# KiCad board reform2-motherboard25.kicad_pcb (continued)
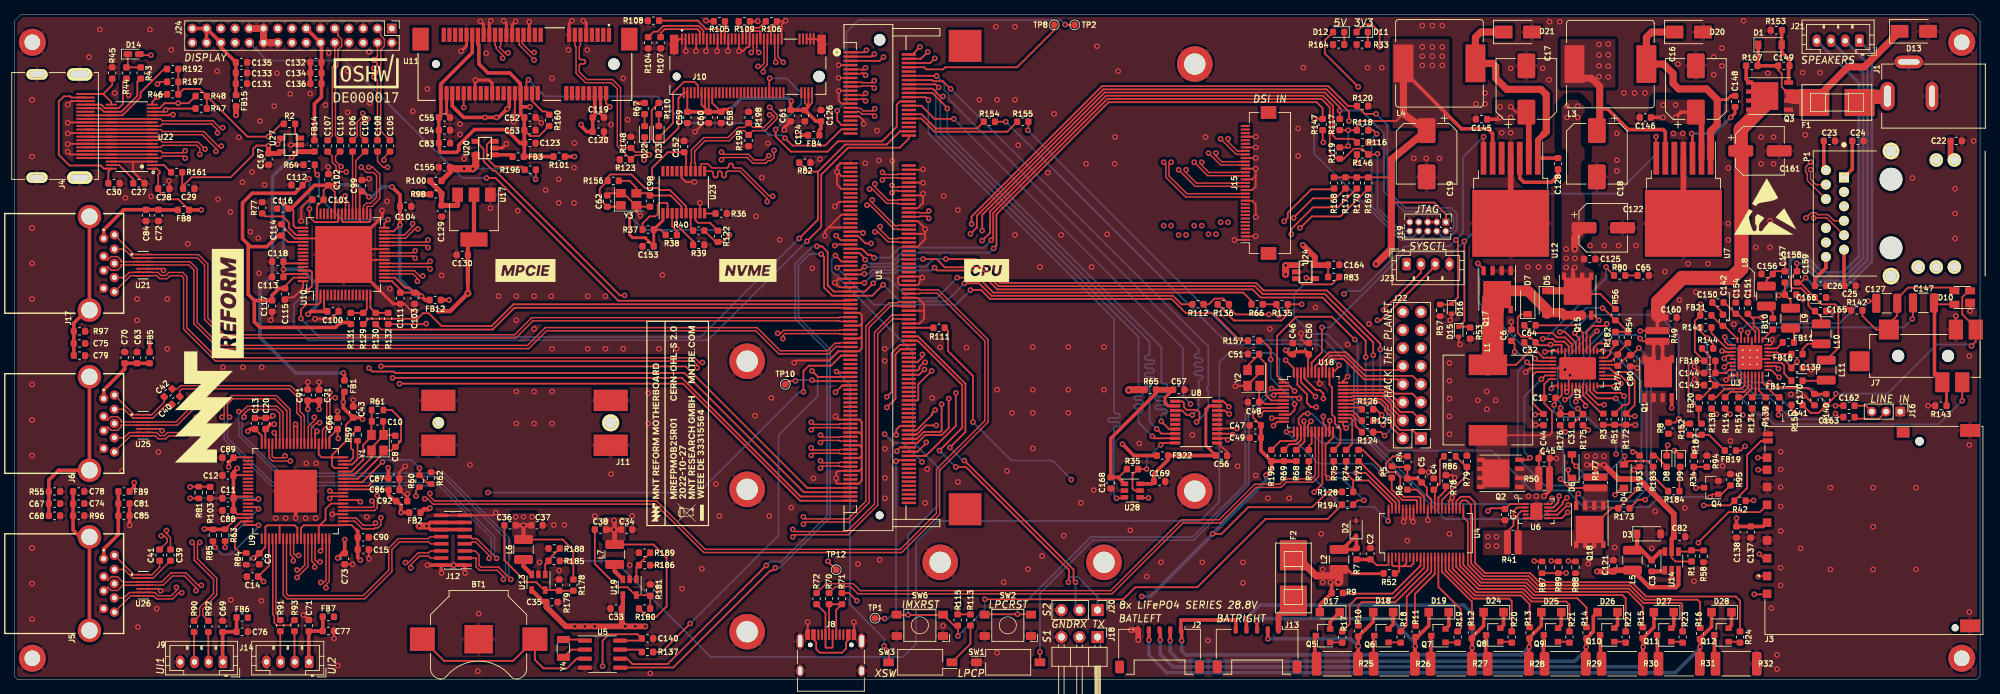
[diagram p0: board, top side]
## Placement (name value [footprint] x y rotation side) (continued)
R139  33  [R_0603_1608Metric]  245.9 38.9 90 top
R140  680  [R_0603_1608Metric]  254.4 39.35 270 top
R141  0  [R_0603_1608Metric]  237.5 49.5 0 top
R142  47k  [R_0603_1608Metric]  258.7 51.9 180 top
R143  47k  [R_0603_1608Metric]  270.5 38.5 180 top
R144  47k  [R_0603_1608Metric]  237.75 46.55 0 top
R146  0  [R_0603_1608Metric]  189.3 73.8 0 top
R147  0  [R_0603_1608Metric]  183.7 78 90 top
R148  49.9  [R_0603_1608Metric]  86.6 75.5 270 top
R150  33  [R_0603_1608Metric]  247.8 38.9 90 top
R151  33  [R_0603_1608Metric]  242.1 38.9 90 top
R152  0  [R_0603_1608Metric]  235.25 35.2 270 top
R153  1M  [R_0603_1608Metric]  247.4 91.25 180 top
R154  0  [R_0603_1608Metric]  136.9 78.4 180 top
R155  0  [R_0603_1608Metric]  141.6 78.4 0 top
R156  1M  [R_0603_1608Metric]  84.1 70.1 0 top
R157  0  [R_0603_1608Metric]  174 47.65 180 top
R160  100k  [R_0603_1608Metric]  75.1 78.6 90 top
R161  10k  [R_0603_1608Metric]  22.8 71.3 180 top
R164  1k  [R_0603_1608Metric]  185.95 89.25 0 top
R167  62  [R_0603_1608Metric]  243.95 86.25 0 top
R168  10k  [R_0603_1608Metric]  185.3 69.8 270 top
R169  10k  [R_0603_1608Metric]  190.1 69.8 90 top
R170  10k  [R_0603_1608Metric]  188.5 69.8 90 top
R171  10k  [R_0603_1608Metric]  186.9 69.8 90 top
R172  10k  [R_0603_1608Metric]  226.3 36.6 270 top
R173  49.9k  [R_0603_1608Metric]  226 24.1 180 top
R174  4.7k  [R_0603_1608Metric]  225.15 44.9 270 top
R175  100  [R_0603_1608Metric]  220.25 36.55 90 top
R176  100  [R_0603_1608Metric]  217.05 36.55 90 top
R177  0.02  [R_0612_1632Metric]  222 27.7 270 top
R178  100k  [R_0603_1608Metric]  78.5 13.3 270 top
R179  100k  [R_0603_1608Metric]  76.5 13.3 90 top
R180  150k  [R_0603_1608Metric]  88.5 10 0 top
R181  100k  [R_0603_1608Metric]  89.3 12.6 90 top
R182  0  [R_0603_1608Metric]  224.8 48.1 90 top
R183  1.5k  [R_0603_1608Metric]  230.1 30.7 90 top
R184  1.5k  [R_0603_1608Metric]  233 26.5 0 top
R185  0  [R_0603_1608Metric]  75.8 16.7 180 top
R186  0  [R_0603_1608Metric]  88.5 16.1 180 top
R187  0  [R_0603_1608Metric]  236.9 35.2 270 top
R188  100k  [R_0603_1608Metric]  75.8 18.45 180 top
R189  100k  [R_0603_1608Metric]  88.5 17.85 180 top
R192  27k  [R_0603_1608Metric]  22.25 85.8 180 top
R193  0  [R_0603_1608Metric]  228.2 30.7 90 top
R194  0  [R_0603_1608Metric]  187.2 24.6 0 top
R195  1.5k  [R_0603_1608Metric]  176.5 31.5 90 top
R196  10k  [R_0603_1608Metric]  72.45 71.65 0 top
R197  47k  [R_0603_1608Metric]  22.25 84 0 top
R198  49.9  [R_0603_1608Metric]  103.1 79 270 top
R199  49.9  [R_0603_1608Metric]  103.1 75.75 90 top
SW1  SW_DIP_x01  [SW_DIP_SPSTx01_Slide_Omron_A6S-110x_W8.9mm_P2.54mm]  139.55 2.45 0 top
SW2  SW_Push  [UK-B0206-G3.8-250-JZ]  139.5 7.65 180 top
SW3  SW_DIP_x01  [SW_DIP_SPSTx01_Slide_Omron_A6S-110x_W8.9mm_P2.54mm]  127.2 2.45 180 top
SW6  SW_Push  [UK-B0206-G3.8-250-JZ]  127.15 7.65 180 top
TP1  IMX_PWM4  [TestPoint_Pad_D1.0mm]  120.85 8.65 0 top
TP2  T_OTG  [TestPoint_Pad_D1.0mm]  148.9 92 0 top
TP8  T_PMIC_ON_REQ  [TestPoint_Pad_D1.0mm]  146 92 0 top
TP10  T_M4_NMI  [TestPoint_Pad_D1.0mm]  108.25 41.5 0 top
TP12  SAI2_RXC  [TestPoint_Pad_D1.0mm]  115.4 15.45 0 top
U1  Nitrogen8M_SOM  [TE_1473149-4]  121.5 56.5 90 top
U2  LTC4020EUHFPBF  [QFN-38-1EP_5x7mm_P0.5mm_EP3.15x5.15mm]  219.5 43.75 90 top
U3  WM8960  [QFN-32-1EP_5x5mm_P0.5mm_EP3.45x3.45mm_ThermalVias]  243.7 45.3 0 top
U4  LTC6803-4  [SSOP-44_5.3x12.8mm_P0.5mm]  198.2 20.6 90 top
U5  PCF8523T  [SOIC-8_3.9x4.9mm_P1.27mm]  82.6 3.6 0 top
U6  -  [PAC1921]  213.7 23.7 0 top
U7  LM2677SX-5  [TO-263-7_TabPin8]  234.35 67.5 270 top
U8  TXS0108EPW  [TSSOP-20_4.4x6.5mm_P0.65mm]  165.95 36.2 0 top
U9  TUSB8040PFP  [QFP50P1400X1400X120-81N]  39.5 26.5 270 top
U10  SN65DSI86IPAPQ1  [HTQFP-64-1EP_10x10mm_P0.5mm_EP8x8mm]  46.25 59.75 90 top
U11  679105700  [MOLEX_67910-5700]  73.5 86.5 180 top
U12  LM2677SX-3.3  [TO-263-7_TabPin8]  210.1 67.5 270 top
U13  TLV62568DBV  [SOT-23-5]  73.6 13.7 270 top
U14  LMR16006YQ3  [TSOT-23-6]  232.7 16.7 90 top
U17  TLV1117-18  [SOT-223]  64.55 65 270 top
U18  LPC11U24FBD48-301  [LQFP-48_7x7mm_P0.5mm]  182.4 39 0 top
U19  TLV62568DBV  [SOT-23-5]  86.4 13 270 top
U20  AP22815  [TSOT-25]  66.1 74.7 90 top
U21  SP3012-06UTG  [SON50P350X135X55-14N]  18.1 58.25 0 top
U22  TPD12S521  [TSSOP50P640X120-38N]  16.5 76.3 180 top
U23  IDT5V41066  [TSSOP-20_4.4x6.5mm_P0.65mm]  94 68.5 90 top
U24  AP22815  [TSOT-25]  181.3 57.3 270 top
U25  SP3012-06UTG  [SON50P350X135X55-14N]  18.1 35.75 0 top
U26  SP3012-06UTG  [SON50P350X135X55-14N]  18.12 13.28 0 top
U27  AP22815  [TSOT-25]  38.8 75.15 90 top
U28  SN74AVC1T45  [SOT-23-6]  156.97 26.58 0 top
Y1  24MHz  [Crystal_SMD_Abracon_ABM8G-4Pin_3.2x2.5mm]  51 33.3 90 top
Y2  12MHz  [Crystal_SMD_Abracon_ABM8G-4Pin_3.2x2.5mm]  174 42.4 90 top
Y3  25MHz  [Crystal_SMD_Abracon_ABM8G-4Pin_3.2x2.5mm]  86.25 67.5 0 top
Y4  32.768 kHz  [Crystal_SMD_3215-2Pin_3.2x1.5mm]  77.1 4.4 90 top

## Library data of the parts
BT1 = -: Checked: y; Distributor: Mouser; Manufacturer: Keystone; Manufacturer_No: 3000
C1 C4 C5 C32 C73 C87 C89 C100 C111 C114 C129 C130 C141 C145 C146 C162 C163 = -: Checked: y; Distributor: Mouser; Manufacturer: Taiyo Yuden; Manufacturer_No: UMK107BJ105KA-T
C2 C7 C9 C11-C15 C20-C30 C39-C43 C49 C50 C53-C57 C59-C61 C66 C67 C70 C74-C77 C84-C86 C88 C90 C101 C103 C105-C110 C113 C115 C118 C119 C135 C136 C138 C140 C142-C144 C149 C154 C156 C158 C165 C166 C168 C169 = -: Checked: y; Manufacturer: Yageo; Manufacturer_No: CC0603JPX7R9BB104
C3 C31 = -: Checked: y; Distributor: Mouser; Manufacturer: TDK; Manufacturer_No: C1608X7R1H334K080AC
C6 C33 C35 C139 C151 C170 = -: Checked: y; Distributor: Mouser; Manufacturer: TDK; Manufacturer_No: C1608X5R1V475K080AC
C8 C10 C48 C51 C62 C98 = -: Checked: y; Distributor: Mouser; LCSC: C107040; Manufacturer: Yageo; Manufacturer_No: CC0603JRNPO9BN180
C16-C19 = -: Checked: y; Distributor: Mouser; Manufacturer: UCC; Manufacturer_No: EMZR500ARA221MHA0G
C34 C37 C46 C47 C63 C69 C71 C72 C81 C91 C92 C99 C112 C120 C131-C134 C137 C150 C155 C164 C167 = -: Checked: y; Distributor: Mouser; Manufacturer: Murata; Manufacturer_No: GRM188R6YA106MA73D
C36 C38 = -: Checked: y; Distributor: Mouser; Manufacturer: Vishay; Manufacturer_No: VJ0603A6R8DXQCW1BC
C44 C82 C125 C160 = -: Checked: y; Distributor: Mouser; Manufacturer: Taiyo Yuden; Manufacturer_No: UMK107BBJ225KA-T
C45 = -: Checked: y; Distributor: Mouser; Manufacturer: KEMET; Manufacturer_No: C0603C333J4REC7411
C52 C58 C102 C104 C116 C117 C128 C148 C152 C153 = -: Checked: y; Distributor: Mouser; Manufacturer: KEMET; Manufacturer_No: C0603C103K5RAC3190
C64 C68 C78 C79 = -: Checked: y; Distributor: Mouser; Manufacturer: Murata; Manufacturer_No: GRM1885C1H202JA01D
C65 = -: Checked: y; Distributor: Mouser; Manufacturer: KEMET; Manufacturer_No: C0603C681J5GACTU
C80 = -: Checked: y; DNP: y; Manufacturer: Yageo; Manufacturer_No: CC0603JPX7R9BB104
C83 C121 C123 C124 C126 = -: Checked: y; Distributor: Mouser; Manufacturer: Murata; Manufacturer_No: GRM188R60J476ME15D
C122 C161 = -: Checked: y; Distributor: Mouser; Manufacturer: Panasonic; Manufacturer_No: EEE-FTH101XAP
C127 C147 = -: Checked: y; Distributor: Mouser; Manufacturer: Murata; Manufacturer_No: GRM32ER60J227ME05L
C157 C159 = -: Checked: y; Distributor: Mouser; Manufacturer: Taiyo Yuden; Manufacturer_No: TMK107B7474KA-TR
D1 = -: Checked: y; Distributor: Mouser; Manufacturer: Diodes, Inc.; Manufacturer_No: BZT52C10-7-F
D2 Q4-Q12 = -: Checked: y; Distributor: Mouser; Manufacturer: Nexperia
D3 D4 D6 = -: Checked: y; Distributor: Mouser; Manufacturer: Diodes, Inc.; Manufacturer_No: SBR0560S1-7
D5 = -: Checked: y; Distributor: Mouser; Manufacturer: ROHM; Manufacturer_No: RBR3MM60ATFTR
D7 = -: Checked: y; Distributor: Mouser; Manufacturer: Diodes, Inc.
D8 D9 = -: Checked: y; Distributor: Mouser; Manufacturer: ROHM; Manufacturer_No: SML-D12Y1WT86
D10 F1 F2 U21 U25 U26 = -: Checked: y; Distributor: Mouser; Manufacturer: Littelfuse
D11 D12 D22 D23 = -: Checked: y; Distributor: Mouser; Manufacturer: ROHM; Manufacturer_No: SMLEN3WBC8W1
D13 D15 D16 = -: Checked: y; Distributor: Mouser; Manufacturer: Vishay
D14 = -: Checked: y; Distributor: Mouser; Manufacturer: AVX
D17-D19 D24-D28 = -: Checked: y; Distributor: Mouser; Manufacturer: Nexperia; Manufacturer_No: PMEG60T10ELRX
D20 D21 = -: Checked: y; Distributor: Mouser; Manufacturer: MCC
FB1 FB2 FB5-FB9 = -: Checked: y; Distributor: Mouser; Manufacturer: Murata; Manufacturer_No: BLM18PG221SH1D
FB3 FB4 FB10-FB12 FB14-FB22 = -: Checked: y; Distributor: Mouser; Manufacturer: Murata; Manufacturer_No: BLM18KG101TN1D
H1 = -: Checked: y; Distributor: None; Manufacturer: Wurth; Manufacturer_No: 9774020243R
H2 H3 H5-H15 TP1 TP2 TP8 TP10 TP12 = -: Checked: y; DNP: y; Distributor: None
H22 H24 H25 H27 = -: Checked: y; Distributor: Mouser; Manufacturer: Wurth; Manufacturer_No: 9774025243R
J1 = -: Checked: y; Distributor: Mouser; Manufacturer: Switchcraft; Manufacturer_No: RAPC712X
J2 J13 = -: Checked: y; Distributor: Mouser; Manufacturer: Molex; Manufacturer_No: 504050-0591
J3 = -: Checked: y; Distributor: Mouser; Manufacturer: TE; Manufacturer_No: 1775059-1
J4 = -: Checked: y; Distributor: Mouser; Manufacturer: Wurth; Manufacturer_No: 685119134923
J5 J6 J17 = -: Checked: y; Distributor: Mouser; Manufacturer: Wurth; Manufacturer_No: 692121030100
J7 = -: Checked: y; Distributor: Mouser; Manufacturer: CUI; Manufacturer_No: SJ-43516-SMT-TR
J8 = -: Checked: y; Distributor: LCSC; LCSC: C165948; Manufacturer: Korean Hroparts; Manufacturer_No: TYPE-C-31-M-12
J9 J14 J21 J23 = -: Checked: y; Distributor: Digikey; Manufacturer: JST; Manufacturer_No: B4B-PH-K-S(LF)(SN)
J10 = -: Checked: y; Distributor: Mouser; Manufacturer: TE
J11 = -: Checked: y; Distributor: Mouser; Manufacturer: Molex
J15 = -: Checked: y; Distributor: Mouser; Manufacturer: Hirose; Manufacturer_No: FH12-33S-0.5SH(55)
J16 = -: Checked: y; DNP: y
J18 J20 = -: Checked: y; Distributor: Mouser; Manufacturer: Wurth; Manufacturer_No: 61300311121
J19 = -: Checked: y; Distributor: Mouser; Manufacturer: Amphenol FCI; Manufacturer_No: 20021111-00010T4LF
J22 = -: Checked: y; Distributor: Mouser; Manufacturer: Molex; Manufacturer_No: 87914-1616
J24 = -: Checked: y; Distributor: Mouser; Manufacturer: Molex / Würth; Manufacturer_No: 87758-3016 / 687133149022
L1 = -: Checked: y; Distributor: Mouser; Manufacturer: Wurth; Manufacturer_No: 7447709220
L2 = -: Checked: y; Distributor: Mouser; Manufacturer: Vishay Dale
L3 L4 = -: Checked: y; Distributor: Mouser; Manufacturer: Bourns; Manufacturer_No: SRR1210-680M
L5 = -: Checked: y; Distributor: Mouser; Manufacturer: Taiyo Yuden; Manufacturer_No: CBC3225T100MRV
L6 L7 = -: Checked: y; Distributor: Mouser; Manufacturer: Taiyo Yuden; Manufacturer_No: BRL3225T2R2M
L8-L11 = -: Checked: y; Distributor: Mouser; Manufacturer: Murata; Manufacturer_No: LQH32PB150MN0L
P1 = -: Checked: y; Distributor: Mouser; Manufacturer: Pulse
Q1 Q2 Q15 Q17 = -: Checked: y; Distributor: Mouser; Manufacturer: Vishay Siliconix; Manufacturer_No: SI7850DP-T1-E3
Q3 Q18 = -: Checked: y; Distributor: Mouser; Manufacturer: Vishay Siliconix; Manufacturer_No: SI7461DP-T1-E3
R1 R4-R6 R55 R61 R96 R97 R153 R156 = -: Checked: y; Distributor: Mouser; Manufacturer: Yageo; Manufacturer_No: RC0603FR-071ML
R2 R45 R54 R62 R63 R83-R85 R87 R95 R113 R115 R128 R161 R172 R196 = -: Checked: y; Distributor: Mouser; Manufacturer: Yageo; Manufacturer_No: RC0603FR-0710KL
R3 R8 R46 R56 R82 R86 R94 R103 R120 R160 R178 R179 R181 R188 R189 = -: Checked: y; Distributor: Mouser; Manufacturer: Vishay Dale; Manufacturer_No: CRCW0603100KJNEAC
R7 R9-R16 R52 R175 R176 = -: Checked: y; Distributor: Mouser; Manufacturer: Vishay Dale; Manufacturer_No: CRCW0603100RFKEAC
R17-R24 = -: Checked: y; Distributor: Mouser; Manufacturer: Vishay Dale; Manufacturer_No: CRCW06033K30FKEAC
R25-R32 = -: Checked: y; Distributor: Mouser; Manufacturer: TE Connectivity; Manufacturer_No: 35224R7JT
R33 R67 R110 R164 R183 R184 = -: Checked: y; Distributor: Mouser; Manufacturer: Yageo; Manufacturer_No: RC0603FR-071KL
R34 R180 = -: Checked: y; Distributor: Mouser; Manufacturer: Vishay Dale; Manufacturer_No: CRCW0603150KFKEAC
R35 R37 R38 R40 R42 R71 R122 R195 = -: Checked: y; Distributor: Mouser; Manufacturer: Yageo; Manufacturer_No: RC0603FR-071K5L
R36 = -: Checked: y; Distributor: Mouser; Manufacturer: Yageo; Manufacturer_No: RC0603FR-07475RL
R39 R51 R58 R65 R73-R78 R81 R88 R89 R98 R101 R104-R109 R111 R116 R124-R126 R129 R130 R137 R141 R146 R147 R152 R154 R155 R157 R182 R185 R186 R193 R194 = -: Checked: y; Distributor: Mouser; Manufacturer: Vishay Dale; Manufacturer_No: CRCW06030000Z0EAC
R41 R177 = -: Checked: y; Distributor: Mouser; Manufacturer: ROHM; Manufacturer_No: LTR18EZPFSR020
R43 R44 R68 R69 R131 R132 R135 R136 R174 = -: Checked: y; Distributor: Mouser; Manufacturer: Yageo; Manufacturer_No: RC0603FR-074K7L
R47 R48 R80 R142-R144 R197 = -: Checked: y; Distributor: Mouser; Manufacturer: Vishay Dale; Manufacturer_No: CRCW060347K0FKEAC
R49 R50 = -: Checked: y; Distributor: Mouser; Manufacturer: ROHM; Manufacturer_No: LTR18EZPFU10L0
R53 R57 R64 = -: Checked: y; Distributor: Mouser; Manufacturer: Yageo; Manufacturer_No: RC0603FR-0751KL
R59 = -: Checked: y; Distributor: Mouser; Manufacturer: Vishay Dale; Manufacturer_No: CRCW06039K09FKTA
R60 = -: Checked: y; Distributor: Mouser; Manufacturer: Vishay Dale; Manufacturer_No: CRCW060390K9FKEA
R66 R112 = -: Checked: y; Distributor: Mouser; Manufacturer: Yageo; Manufacturer_No: RC0603FR-07220RL
R70 R72 R114 R121 R138 R139 R150 R151 = -: Checked: y; Distributor: Mouser; Manufacturer: Vishay Dale; Manufacturer_No: CRCW060333R0FKEAC
R79 = -: Checked: y; Distributor: Mouser; Manufacturer: Vishay / BC; Manufacturer_No: NTCS0603E3104FXT
R90-R93 = -: Checked: y; Distributor: Mouser; Manufacturer: Yageo; Manufacturer_No: RC0603FR-0727RL
R100 R187 = -: Checked: y; DNP: y; Distributor: Mouser; Manufacturer: Vishay Dale; Manufacturer_No: CRCW06030000Z0EAC
R117-R119 R168-R171 = -: Checked: y; DNP: y; Distributor: Mouser; Manufacturer: Yageo; Manufacturer_No: RC0603FR-0710KL
R123 R148 R198 R199 = -: Checked: y; Distributor: Mouser; Manufacturer: Yageo; Manufacturer_No: RC0603FR-1049R9L
R140 = -: Checked: y; Distributor: Mouser; Manufacturer: Yageo; Manufacturer_No: RC0603FR-07680RL
R167 = -: Checked: y; Distributor: Mouser; Manufacturer: Yageo; Manufacturer_No: RC0603FR-0762RL
R173 = -: Checked: y; Distributor: Mouser; Manufacturer: Vishay Dale; Manufacturer_No: CRCW060349K9FKEAC
R192 = -: Checked: y; Distributor: Mouser; Manufacturer: Bourns; Manufacturer_No: CR0603-FX-2702ELF
SW1 SW3 = -: Checked: y; Distributor: Mouser; Manufacturer: Apem; Manufacturer_No: DM01
SW2 SW6 = -: Checked: y; Distributor: Mouser; Manufacturer: USAKRO; Manufacturer_No: UK-B0206-G3.8-250-JZ
U1 = -: Checked: y; Distributor: Mouser; Manufacturer: TE; Manufacturer_No: 1717254-1
U2 = -: Checked: y; Distributor: Mouser; Manufacturer: Analog Devices; Manufacturer_No: LTC4020EUHF#PBF
U3 = -: Checked: y; Distributor: Mouser; Manufacturer: Cirrus Logic; Manufacturer_No: WM8960CGEFL/V
U4 = -: Checked: y; Distributor: Mouser; Manufacturer: Analog Devices; Manufacturer_No: LTC6803IG-4#PBF
U5 = -: Checked: y; Distributor: Mouser; Manufacturer: NXP; Manufacturer_No: PCF8523T/1,118
U6 = -: Checked: y; Distributor: Mouser; Manufacturer: Microchip / Atmel; Manufacturer_No: PAC1921-1-AIA-TR
U7 U8 U10 U14 U22 U28 = -: Checked: y; Distributor: Mouser; Manufacturer: Texas Instruments
U9 = -: Checked: y; Distributor: TI; LCSC: C2872001; Manufacturer: Texas Instruments
U11 = -: Checked: y; Distributor: Mouser; Manufacturer: Molex; Manufacturer_No: 67910-5700
U12 = -: Checked: y; Distributor: Mouser; Manufacturer: Texas Instruments; Manufacturer_No: LM2677S-3.3/NOPB
U13 U19 = -: Checked: y; Distributor: Mouser; Manufacturer: Texas Instruments; Manufacturer_No: TLV62568DBVR
U17 = -: Checked: y; Distributor: Mouser; Manufacturer: Texas Instruments; Manufacturer_No: TLV1117-18CDCYR
U18 = -: Checked: y; Distributor: Mouser; Manufacturer: NXP
U20 U24 U27 = -: Checked: y; Distributor: Mouser; Manufacturer: Diodes, Inc.; Manufacturer_No: AP22815AWT-7
U23 = -: Checked: y; Distributor: Mouser; Manufacturer: IDT; Manufacturer_No: 5V41066PGGI8
Y1 = -: Checked: y; Distributor: Mouser; LCSC: C91744; Manufacturer: Seiko Epson; Manufacturer_No: X1E0000210264
Y2 = -: Checked: y; Distributor: Mouser; Manufacturer: Abracon; Manufacturer_No: ABM8AIG-12.000MHz-2-T
Y3 = -: Checked: y; Distributor: Mouser; Manufacturer: Abracon; Manufacturer_No: ABM8AIG-25.000MHz-R40-4-T
Y4 = -: Checked: y; Distributor: Mouser; Manufacturer: ECS; Manufacturer_No: ECS-.327-7-34B-TR

## Footprints (pads in the part's own frame, mm; a bottom-side part is the same pattern mirrored in y, then rotated)
692121030100
  round 1.3 hole 0.7: 1(-3.5,5.36) 2(-1,5.36) 3(1,5.36) 4(3.5,5.36) 5(4,6.86) 6(2,6.86) 7(0,6.86) 8(-2,6.86) 9(-4,6.86)
  round 3.3 hole 2.3: 10(-6.57,3.36) 10(6.57,3.36)
BatteryHolder_Keystone_3000_1x12mm
  rect 3.5x3.3 smd: 1(-7.9,0) 1(7.9,0)
  rect 4x4 smd: 2(0,0)
C_0603_1608Metric
  rrect 0.875x0.95 smd: 1(-0.787,0) 2(0.787,0)
C_1210_3225Metric
  rrect 1.15x2.7 smd: 1(-1.475,0) 2(1.475,0)
CP_Elec_6.3x7.7
  rrect 3.5x1.6 smd: 1(-2.7,0) 2(2.7,0)
CP_Elec_8x10
  rrect 3.5x2.5 smd: 1(-3.25,0) 2(3.25,0)
Crystal_SMD_3215-2Pin_3.2x1.5mm
  rect 1x1.8 smd: 1(1.25,0) 2(-1.25,0)
Crystal_SMD_Abracon_ABM8G-4Pin_3.2x2.5mm
  rect 1.4x1.2 smd: 1(-1.1,-0.85) 2(1.1,-0.85) 3(1.1,0.85) 4(-1.1,0.85)
D_0603_1608Metric_Castellated
  rrect 1.225x0.85 smd: 1(-0.812,0) 2(0.812,0)
D_SMA
  rect 2.5x1.8 smd: 1(-2,0) 2(2,0)
D_SOD-123
  rect 0.9x1.2 smd: 1(-1.65,0) 2(1.65,0)
D_SOD-323
  rect 0.6x0.45 smd: 1(-1.05,0) 2(1.05,0)
D_SOD-523
  rect 0.6x0.7 smd: 1(-0.7,0) 2(0.7,0)
fuse_smf
  rect 4.239x3.81 smd: 1(-3.188,0) 2(3.188,0)
HDMI-685119134923
  rect 0.28x2.6 smd: 1(4.5,0) 2(4,0) 3(3.5,0) 4(3,0) 5(2.5,0) 6(2,0) 7(1.5,0) 8(1,0) 9(0.5,0) 10(0,0) 11(-0.5,0) 12(-1,0) 13(-1.5,0) 14(-2,0) 15(-2.5,0) 16(-3,0) 17(-3.5,0) 18(-4,0) 19(-4.5,0)
  oval 1.778x3.556 hole 1x2.7: SH(-7.25,-0.8)
  oval 1.5x3 hole 0.9x2.1: SH(-7.25,-6.8) SH(7.25,-6.8)
  oval 1.778x3.556 hole 0.9x2.7: SH(7.25,-0.8)
Hirose_FH12-33S-0.5SH_1x33-1MP_P0.50mm_Horizontal
  rect 0.3x1.3 smd: 1(-8,1.85) 2(-7.5,1.85) 3(-7,1.85) 4(-6.5,1.85) 5(-6,1.85) 6(-5.5,1.85) 7(-5,1.85) 8(-4.5,1.85) 9(-4,1.85) 10(-3.5,1.85) 11(-3,1.85) 12(-2.5,1.85) 13(-2,1.85) 14(-1.5,1.85) 15(-1,1.85) 16(-0.5,1.85) 17(0,1.85) 18(0.5,1.85) 19(1,1.85) 20(1.5,1.85) 21(2,1.85) 22(2.5,1.85) 23(3,1.85) 24(3.5,1.85) 25(4,1.85) 26(4.5,1.85) 27(5,1.85) 28(5.5,1.85) 29(6,1.85) 30(6.5,1.85) 31(7,1.85) 32(7.5,1.85) 33(8,1.85)
  rect 1.8x2.2 smd: MP(-9.9,-1.4) MP(9.9,-1.4)
HTQFP-64-1EP_10x10mm_P0.5mm_EP8x8mm
  rect 3.2x3.2 smd: (-2,2) (-2,-2) (2,2) (2,-2)
  rect 1.5x0.3 smd: 1(-5.7,3.75) 2(-5.7,3.25) 3(-5.7,2.75) 4(-5.7,2.25) 5(-5.7,1.75) 6(-5.7,1.25) 7(-5.7,0.75) 8(-5.7,0.25) 9(-5.7,-0.25) 10(-5.7,-0.75) 11(-5.7,-1.25) 12(-5.7,-1.75) 13(-5.7,-2.25) 14(-5.7,-2.75) 15(-5.7,-3.25) 16(-5.7,-3.75) 33(5.7,-3.75) 34(5.7,-3.25) 35(5.7,-2.75) 36(5.7,-2.25) 37(5.7,-1.75) 38(5.7,-1.25) 39(5.7,-0.75) 40(5.7,-0.25) 41(5.7,0.25) 42(5.7,0.75) 43(5.7,1.25) 44(5.7,1.75) 45(5.7,2.25) 46(5.7,2.75) 47(5.7,3.25) 48(5.7,3.75)
  rect 0.3x1.5 smd: 17(-3.75,-5.7) 18(-3.25,-5.7) 19(-2.75,-5.7) 20(-2.25,-5.7) 21(-1.75,-5.7) 22(-1.25,-5.7) 23(-0.75,-5.7) 24(-0.25,-5.7) 25(0.25,-5.7) 26(0.75,-5.7) 27(1.25,-5.7) 28(1.75,-5.7) 29(2.25,-5.7) 30(2.75,-5.7) 31(3.25,-5.7) 32(3.75,-5.7) 49(3.75,5.7) 50(3.25,5.7) 51(2.75,5.7) 52(2.25,5.7) 53(1.75,5.7) 54(1.25,5.7) 55(0.75,5.7) 56(0.25,5.7) 57(-0.25,5.7) 58(-0.75,5.7) 59(-1.25,5.7) 60(-1.75,5.7) 61(-2.25,5.7) 62(-2.75,5.7) 63(-3.25,5.7) 64(-3.75,5.7)
  rect 8x8 smd: 65(0,0)
JST_PH_B4B-PH-K_1x04_P2.00mm_Vertical
  rrect 1.2x1.75 hole 0.75: 1(0,0)
  oval 1.2x1.75 hole 0.75: 2(2,0) 3(4,0) 4(6,0)
L_12x12mm_H6mm
  rect 2.9x5.4 smd: 1(-4.95,0) 2(4.95,0)
L_0603_1608Metric
  rrect 0.875x0.95 smd: 1(-0.787,0) 2(0.787,0)
L_1210_3225Metric
  rrect 1.25x2.65 smd: 1(-1.4,0) 2(1.4,0)
L_Bourns_SRR1210A
  rect 2.8x5.3 smd: 1(-5.05,0) 2(5.05,0)
LED_0603_1608Metric
  rrect 0.875x0.95 smd: 1(-0.787,0) 2(0.787,0)
LQFP-48_7x7mm_P0.5mm
  rrect 1.475x0.3 smd: 1(-4.162,2.75) 2(-4.162,2.25) 3(-4.162,1.75) 4(-4.162,1.25) 5(-4.162,0.75) 6(-4.162,0.25) 7(-4.162,-0.25) 8(-4.162,-0.75) 9(-4.162,-1.25) 10(-4.162,-1.75) 11(-4.162,-2.25) 12(-4.162,-2.75) 25(4.162,-2.75) 26(4.162,-2.25) 27(4.162,-1.75) 28(4.162,-1.25) 29(4.162,-0.75) 30(4.162,-0.25) 31(4.162,0.25) 32(4.162,0.75) 33(4.162,1.25) 34(4.162,1.75) 35(4.162,2.25) 36(4.162,2.75)
  rrect 0.3x1.475 smd: 13(-2.75,-4.162) 14(-2.25,-4.162) 15(-1.75,-4.162) 16(-1.25,-4.162) 17(-0.75,-4.162) 18(-0.25,-4.162) 19(0.25,-4.162) 20(0.75,-4.162) 21(1.25,-4.162) 22(1.75,-4.162) 23(2.25,-4.162) 24(2.75,-4.162) 37(2.75,4.162) 38(2.25,4.162) 39(1.75,4.162) 40(1.25,4.162) 41(0.75,4.162) 42(0.25,4.162) 43(-0.25,4.162) 44(-0.75,4.162) 45(-1.25,4.162) 46(-1.75,4.162) 47(-2.25,4.162) 48(-2.75,4.162)
MOLEX_48099-5701
  rect 4.8x3 smd: 1(-12.1,-3.15) 2(-12.1,3.15) 3(12.1,-3.15) 4(12.1,3.15)
  round 2.4 hole 1.6: 5(-12.1,0)
  round 1.65 hole 1.1: 6(12.1,0)
MOLEX_67910-5700
  round 1.6 hole 1.6 unplated: (-10.7,0)
  round 1.1 hole 1.1 unplated: (14.3,0)
  rect 0.6x2 smd: 1(-10,-4.1) 2(-9.6,4.1) 3(-9.2,-4.1) 4(-8.8,4.1) 5(-8.4,-4.1) 6(-8,4.1) 7(-7.6,-4.1) 8(-7.2,4.1) 9(-6.8,-4.1) 10(-6.4,4.1) 11(-6,-4.1) 12(-5.6,4.1) 13(-5.2,-4.1) 14(-4.8,4.1) 15(-4.4,-4.1) 16(-4,4.1) 17(-0.4,-4.1) 18(0,4.1) 19(0.4,-4.1) 20(0.8,4.1) 21(1.2,-4.1) 22(1.6,4.1) 23(2,-4.1) 24(2.4,4.1) 25(2.8,-4.1) 26(3.2,4.1) 27(3.6,-4.1) 28(4,4.1) 29(4.4,-4.1) 30(4.8,4.1) 31(5.2,-4.1) 32(5.6,4.1) 33(6,-4.1) 34(6.4,4.1) 35(6.8,-4.1) 36(7.2,4.1) 37(7.6,-4.1) 38(8,4.1) 39(8.4,-4.1) 40(8.8,4.1) 41(9.2,-4.1) 42(9.6,4.1) 43(10,-4.1) 44(10.4,4.1) 45(10.8,-4.1) 46(11.2,4.1) 47(11.6,-4.1) 48(12,4.1) 49(12.4,-4.1) 50(12.8,4.1) 51(13.2,-4.1) 52(13.6,4.1)
  rect 2.3x3.2 smd: 53(-12.85,-3.5) 54(16.45,-3.5)
Molex_Pico-Lock_504050-0591_1x05-1MP_P1.50mm_Horizontal
  rrect 0.6x1 smd: 1(-3,-2.795) 2(-1.5,-2.795) 3(0,-2.795) 4(1.5,-2.795) 5(3,-2.795)
  rrect 1.25x1.8 smd: MP(-5.605,2.395) MP(5.605,2.395)
MountingHole_2.2mm_M2_DIN965_Pad
  round 3.8 hole 2.2: 1(0,0)
Nexperia_CFP3_SOD-123W
  rect 1.2x1.2 smd: 1(-1.4,0) 2(1.4,0)
PAC1921
  rect 0.8x0.3 smd: 1(-1.5,1) 2(-1.5,0.5) 3(-1.5,0) 4(-1.5,-0.5) 5(-1.5,-1) 6(1.5,-1) 7(1.5,-0.5) 8(1.5,0) 9(1.5,0.5) 10(1.5,1)
  rrect 1.7x2.4 smd: 5(0,0)
PinHeader_1x03_P2.00mm_Vertical
  rect 1.35x1.35 hole 0.8: 1(0,0)
  oval 1.35x1.35 hole 0.8: 2(0,-2) 3(0,-4)
PinHeader_1x03_P2.54mm_Horizontal
  rect 1.7x1.7 hole 1: 1(0,0)
  oval 1.7x1.7 hole 1: 2(0,-2.54) 3(0,-5.08)
PinHeader_1x03_P2.54mm_Vertical
  rect 1.7x1.7 hole 1: 1(0,0)
  oval 1.7x1.7 hole 1: 2(0,-2.54) 3(0,-5.08)
PinHeader_2x05_P1.27mm_Vertical
  rect 1x1 hole 0.65: 1(0,0)
  oval 1x1 hole 0.65: 2(1.27,0) 3(0,-1.27) 4(1.27,-1.27) 5(0,-2.54) 6(1.27,-2.54) 7(0,-3.81) 8(1.27,-3.81) 9(0,-5.08) 10(1.27,-5.08)
PinHeader_2x08_P1.00mm_Vertical_SMD
  rect 2x0.5 smd: 1(-1.65,3.5) 2(1.65,3.5) 3(-1.65,2.5) 4(1.65,2.5) 5(-1.65,1.5) 6(1.65,1.5) 7(-1.65,0.5) 8(1.65,0.5) 9(-1.65,-0.5) 10(1.65,-0.5) 11(-1.65,-1.5) 12(1.65,-1.5) 13(-1.65,-2.5) 14(1.65,-2.5) 15(-1.65,-3.5) 16(1.65,-3.5)
PinHeader_2x08_P2.54mm_Vertical
  rect 1.7x1.7 hole 1: 1(0,0)
  oval 1.7x1.7 hole 1: 2(2.54,0) 3(0,-2.54) 4(2.54,-2.54) 5(0,-5.08) 6(2.54,-5.08) 7(0,-7.62) 8(2.54,-7.62) 9(0,-10.16) 10(2.54,-10.16) 11(0,-12.7) 12(2.54,-12.7) 13(0,-15.24) 14(2.54,-15.24) 15(0,-17.78) 16(2.54,-17.78)
PinHeader_2x15_P2.00mm_Vertical
  rect 1.35x1.35 hole 0.8: 1(0,0)
  oval 1.35x1.35 hole 0.8: 2(2,0) 3(0,-2) 4(2,-2) 5(0,-4) 6(2,-4) 7(0,-6) 8(2,-6) 9(0,-8) 10(2,-8) 11(0,-10) 12(2,-10) 13(0,-12) 14(2,-12) 15(0,-14) 16(2,-14) 17(0,-16) 18(2,-16) 19(0,-18) 20(2,-18) 21(0,-20) 22(2,-20) 23(0,-22) 24(2,-22) 25(0,-24) 26(2,-24) 27(0,-26) 28(2,-26) 29(0,-28) 30(2,-28)
PowerPAK_SO-8_Single_8Pads
  rect 1.27x0.61 smd: 1(-2.67,1.905) 2(-2.67,0.635) 3(-2.67,-0.635) 4(-2.67,-1.905)
  rect 3.81x3.91 smd: 5(0.69,0)
  rect 1.02x0.61 smd: 5(2.795,-1.905) 6(2.795,-0.635) 7(2.795,0.635) 8(2.795,1.905)
PULSE_J0G-0003NL
  round 3.2 hole 3.2 unplated: (-4.825,0) (4.825,0)
  rect 1.398x1.398 hole 0.89: 1(-5.075,-6.6)
  round 1.398 hole 0.89: 2(-3.045,-6.6) 3(-1.015,-6.6) 4(1.015,-6.6) 5(3.045,-6.6) 6(5.075,-6.6) 7(-6.095,-9.14) 8(-4.065,-9.14) 9(-2.035,-9.14) 10(2.035,-9.14) 11(4.065,-9.14) 12(6.095,-9.14)
  round 1.905 hole 1.27: 13(-7.52,6.35) 14(-7.52,8.89) 15(7.52,3.81) 16(7.52,6.35) 17(7.52,8.89)
  round 2.355 hole 1.57: SH1(-8.79,0) SH2(8.79,0)
QFN-32-1EP_5x5mm_P0.5mm_EP3.45x3.45mm_ThermalVias
  custom 0.585x0.585 smd: (-1.363,1.363) (-1.363,-1.363) (1.363,1.363) (1.363,-1.363)
  custom 0.585x0.806 smd: (-1.363,0.5) (-1.363,-0.5) (1.363,0.5) (1.363,-0.5)
  custom 0.806x0.585 smd: (-0.5,1.363) (-0.5,-1.363) (0.5,1.363) (0.5,-1.363)
  rrect 0.806x0.806 smd: (-0.5,0.5) (-0.5,-0.5) (0.5,0.5) (0.5,-0.5)
  rrect 0.875x0.25 smd: 1(-2.438,1.75) 2(-2.438,1.25) 3(-2.438,0.75) 4(-2.438,0.25) 5(-2.438,-0.25) 6(-2.438,-0.75) 7(-2.438,-1.25) 8(-2.438,-1.75) 17(2.438,-1.75) 18(2.438,-1.25) 19(2.438,-0.75) 20(2.438,-0.25) 21(2.438,0.25) 22(2.438,0.75) 23(2.438,1.25) 24(2.438,1.75)
  rrect 0.25x0.875 smd: 9(-1.75,-2.438) 10(-1.25,-2.438) 11(-0.75,-2.438) 12(-0.25,-2.438) 13(0.25,-2.438) 14(0.75,-2.438) 15(1.25,-2.438) 16(1.75,-2.438) 25(1.75,2.438) 26(1.25,2.438) 27(0.75,2.438) 28(0.25,2.438) 29(-0.25,2.438) 30(-0.75,2.438) 31(-1.25,2.438) 32(-1.75,2.438)
  round 0.5 hole 0.2: 33(-1,1) 33(-1,0) 33(-1,-1) 33(0,1) 33(0,0) 33(0,-1) 33(1,1) 33(1,0) 33(1,-1)
  rrect 2.5x2.5 smd far side: 33(0,0)
  rrect 3.45x3.45 smd: 33(0,0)
QFN-38-1EP_5x7mm_P0.5mm_EP3.15x5.15mm
  rrect 0.85x0.83 smd: (-1.05,2.06) (-1.05,1.03) (-1.05,0) (-1.05,-1.03) (-1.05,-2.06) (0,2.06) (0,1.03) (0,0) (0,-1.03) (0,-2.06) (1.05,2.06) (1.05,1.03) (1.05,0) (1.05,-1.03) (1.05,-2.06)
  rrect 0.875x0.25 smd: 1(-2.438,2.75) 2(-2.438,2.25) 3(-2.438,1.75) 4(-2.438,1.25) 5(-2.438,0.75) 6(-2.438,0.25) 7(-2.438,-0.25) 8(-2.438,-0.75) 9(-2.438,-1.25) 10(-2.438,-1.75) 11(-2.438,-2.25) 12(-2.438,-2.75) 20(2.438,-2.75) 21(2.438,-2.25) 22(2.438,-1.75) 23(2.438,-1.25) 24(2.438,-0.75) 25(2.438,-0.25) 26(2.438,0.25) 27(2.438,0.75) 28(2.438,1.25) 29(2.438,1.75) 30(2.438,2.25) 31(2.438,2.75)
  rrect 0.25x0.875 smd: 13(-1.5,-3.438) 14(-1,-3.438) 15(-0.5,-3.438) 16(0,-3.438) 17(0.5,-3.438) 18(1,-3.438) 19(1.5,-3.438) 32(1.5,3.438) 33(1,3.438) 34(0.5,3.438) 35(0,3.438) 36(-0.5,3.438) 37(-1,3.438) 38(-1.5,3.438)
  rrect 3.15x5.15 smd: 39(0,0)
QFP50P1400X1400X120-81N
  rrect 1.47x0.28 smd: 1(-6.67,4.75) 2(-6.67,4.25) 3(-6.67,3.75) 4(-6.67,3.25) 5(-6.67,2.75) 6(-6.67,2.25) 7(-6.67,1.75) 8(-6.67,1.25) 9(-6.67,0.75) 10(-6.67,0.25) 11(-6.67,-0.25) 12(-6.67,-0.75) 13(-6.67,-1.25) 14(-6.67,-1.75) 15(-6.67,-2.25) 16(-6.67,-2.75) 17(-6.67,-3.25) 18(-6.67,-3.75) 19(-6.67,-4.25) 20(-6.67,-4.75) 41(6.67,-4.75) 42(6.67,-4.25) 43(6.67,-3.75) 44(6.67,-3.25) 45(6.67,-2.75) 46(6.67,-2.25) 47(6.67,-1.75) 48(6.67,-1.25) 49(6.67,-0.75) 50(6.67,-0.25) 51(6.67,0.25) 52(6.67,0.75) 53(6.67,1.25) 54(6.67,1.75) 55(6.67,2.25) 56(6.67,2.75) 57(6.67,3.25) 58(6.67,3.75) 59(6.67,4.25) 60(6.67,4.75)
  rrect 0.28x1.47 smd: 21(-4.75,-6.67) 22(-4.25,-6.67) 23(-3.75,-6.67) 24(-3.25,-6.67) 25(-2.75,-6.67) 26(-2.25,-6.67) 27(-1.75,-6.67) 28(-1.25,-6.67) 29(-0.75,-6.67) 30(-0.25,-6.67) 31(0.25,-6.67) 32(0.75,-6.67) 33(1.25,-6.67) 34(1.75,-6.67) 35(2.25,-6.67) 36(2.75,-6.67) 37(3.25,-6.67) 38(3.75,-6.67) 39(4.25,-6.67) 40(4.75,-6.67) 61(4.75,6.67) 62(4.25,6.67) 63(3.75,6.67) 64(3.25,6.67) 65(2.75,6.67) 66(2.25,6.67) 67(1.75,6.67) 68(1.25,6.67) 69(0.75,6.67) 70(0.25,6.67) 71(-0.25,6.67) 72(-0.75,6.67) 73(-1.25,6.67) 74(-1.75,6.67) 75(-2.25,6.67) 76(-2.75,6.67) 77(-3.25,6.67) 78(-3.75,6.67) 79(-4.25,6.67) 80(-4.75,6.67)
  rect 6x6 smd: 81(0,0)
